# KiCad board BoxTurtle_DC_motors_RPiPico.kicad_pcb
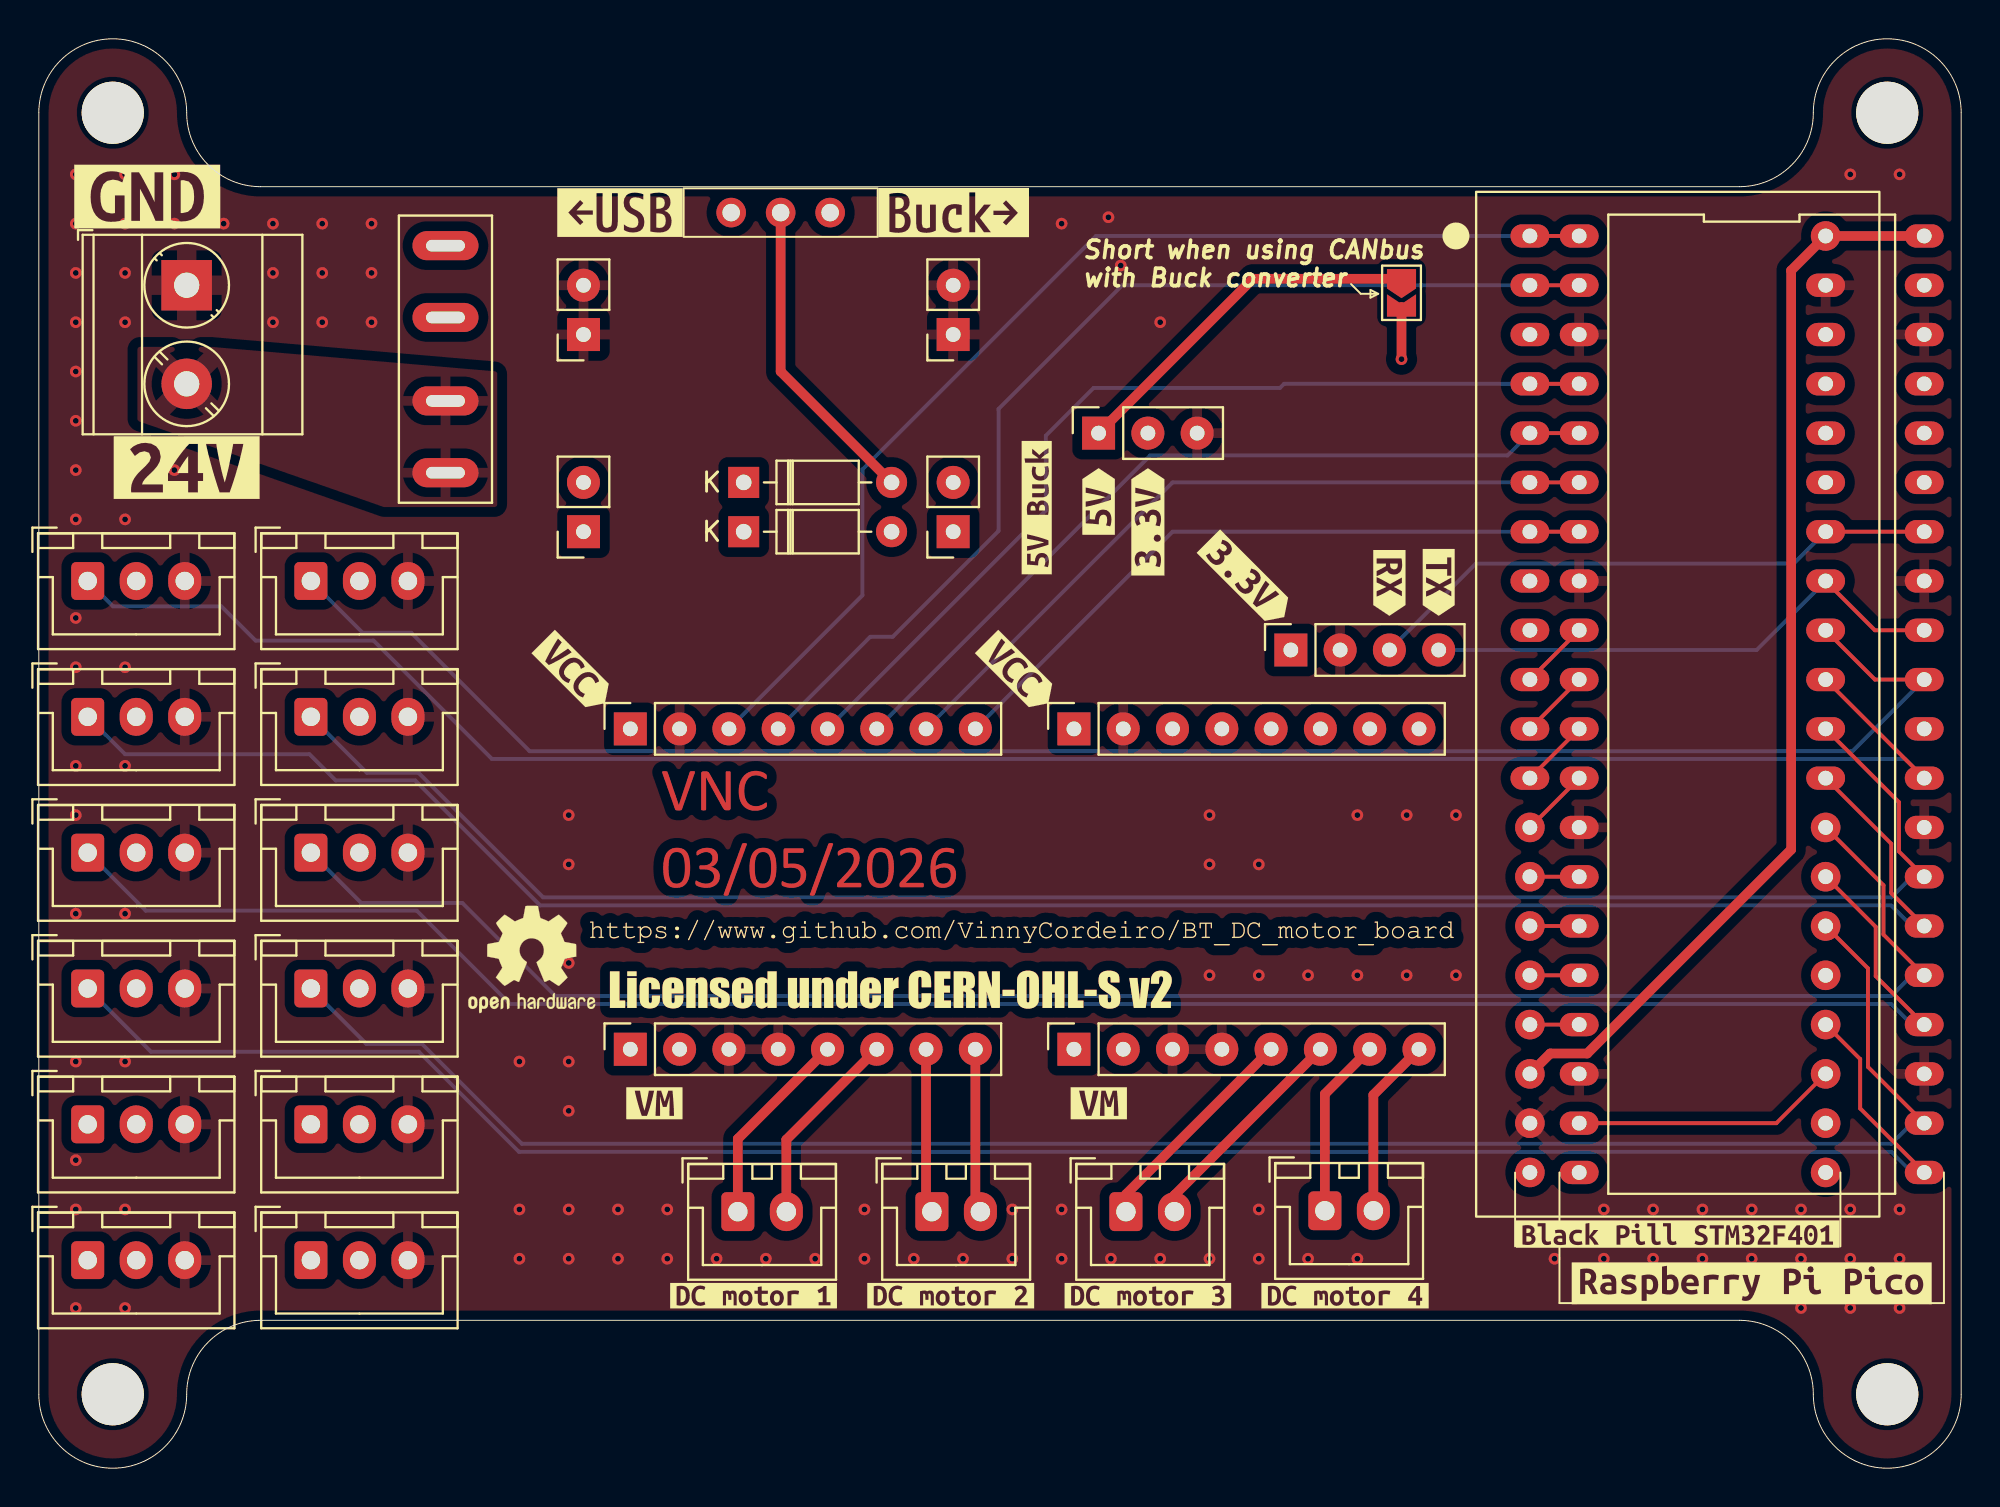
[diagram p0: board, top side]
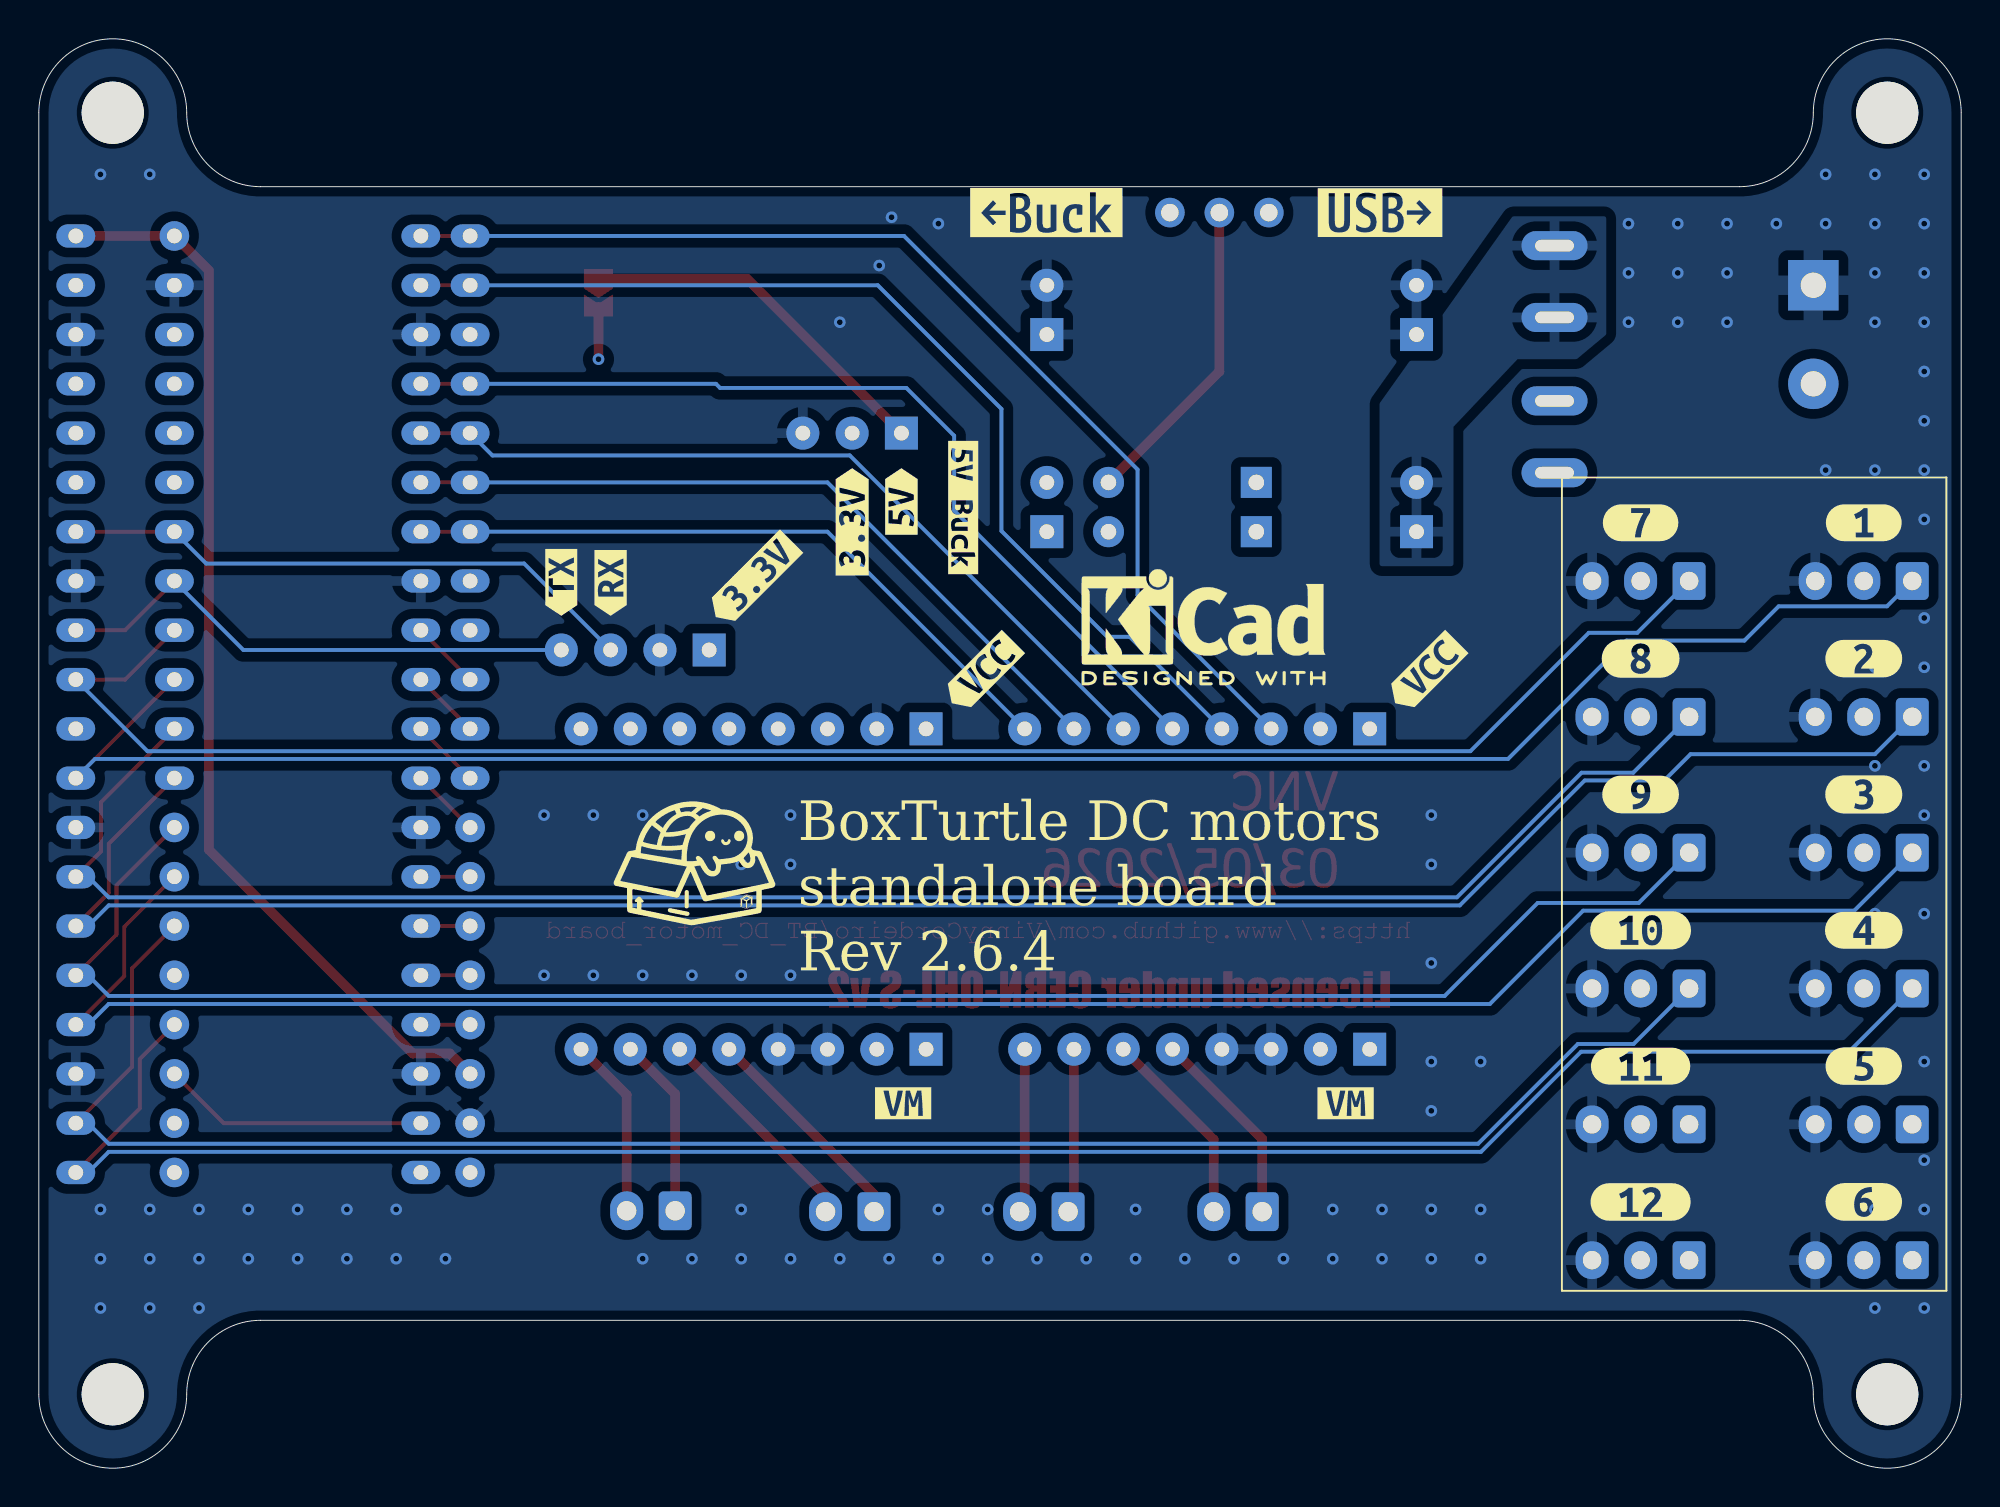
[diagram p1: board, bottom side, seen from below]

Outline 99.06 x 73.66 mm; copper layers: Top, In1.Cu, In2.Cu, Bottom. Coordinates in mm from the lower left corner of the outline.
Outline path: 0,69.85 0,3.81 arc(3.81,0) 7.62,3.81 arc(8.74,6.5) 11.43,7.62 87.63,7.62 arc(90.32,6.5) 91.44,3.81 arc(95.25,0) 99.06,3.81 99.06,69.85 arc(95.25,73.66) 91.44,69.85 arc(90.32,67.16) 87.63,66.04 11.43,66.04 arc(8.74,67.16) 7.62,69.85 arc(3.81,73.66) 0,69.85
Stack: Top 0.035mm / dielectric 0.1mm FR4 er 4.5 / In1.Cu 0.035mm / dielectric 1.24mm FR4 er 4.5 / In2.Cu 0.035mm / dielectric 0.1mm FR4 er 4.5 / Bottom 0.035mm

## Placement (name value [footprint] x y rotation side)
D1  BAT85  [D_DO-35_SOD27_P7.62mm_Horizontal]  36.32 50.8 0 top
D2  BAT85  [D_DO-35_SOD27_P7.62mm_Horizontal]  36.32 48.26 0 top
F1  Fuse_Small  [XF-506P]  20.95 57.15 270 top
H1  MountingHole  [MountingHole_3.2mm_M3]  3.81 69.85 0 top
H2  MountingHole  [MountingHole_3.2mm_M3]  3.81 3.81 0 top
H3  MountingHole  [MountingHole_3.2mm_M3]  95.25 69.85 0 top
H4  MountingHole  [MountingHole_3.2mm_M3]  95.25 3.81 0 top
J1  Power input  [PinSocket_1x02_P2.54mm_Vertical]  28.07 48.26 180 top
J2  Power input  [PinSocket_1x02_P2.54mm_Vertical]  28.07 58.42 180 top
J3  Power output  [PinSocket_1x02_P2.54mm_Vertical]  47.12 48.26 180 top
J4  Power output  [PinSocket_1x02_P2.54mm_Vertical]  47.12 58.42 180 top
J5  AMS1117 module  [PinSocket_1x03_P2.54mm_Vertical]  54.61 53.34 90 top
J6  DRV8837 module left  [PinSocket_1x08_P2.54mm_Vertical]  30.48 21.59 90 top
J7  DRV8837 module right  [PinSocket_1x08_P2.54mm_Vertical]  30.48 38.1 90 top
J8  DRV8837 module left  [PinSocket_1x08_P2.54mm_Vertical]  53.34 21.59 90 top
J9  DRV8837 module right  [PinSocket_1x08_P2.54mm_Vertical]  53.34 38.1 90 top
J10  DC motor 1  [JST_XH_B2B-XH-A_1x02_P2.50mm_Vertical]  36.02 13.22 0 top
J11  DC motor 2  [JST_XH_B2B-XH-A_1x02_P2.50mm_Vertical]  46.02 13.22 0 top
J12  DC motor 3  [JST_XH_B2B-XH-A_1x02_P2.50mm_Vertical]  56.02 13.22 0 top
J13  DC motor 4  [JST_XH_B2B-XH-A_1x02_P2.50mm_Vertical]  66.27 13.27 0 top
J14  Screw_Terminal_01x02  [TerminalBlock_Phoenix_MKDS-3-2-5.08_1x02_P5.08mm_Horizontal]  7.62 60.96 270 top
J15  CAN  [PinSocket_1x04_P2.54mm_Vertical]  64.52 42.16 90 top
JP2  Jumper_2_Small_Open  [SolderJumper-2_P1.3mm_Open_TrianglePad1.0x1.5mm]  70.22 60.57 270 top
kibuzzard-67A0CA07  G***  [kibuzzard-67A0CA07]  51.42 49.5 90 top
kibuzzard-67A0CA07#2  G***  [kibuzzard-67A0CA07]  51.43 49.5 270 bottom
kibuzzard-67A0043B  G***  [kibuzzard-67A0043B]  84.45 12.06 0 top
kibuzzard-67A00413  G***  [kibuzzard-67A00413]  88.27 9.53 0 top
kibuzzard-67C5FAD7  G***  [kibuzzard-67C5FAD7]  29.95 64.7 0 top
kibuzzard-67C5FB16  G***  [kibuzzard-67C5FB16]  29.95 64.7 180 bottom
kibuzzard-67C5FB88  G***  [kibuzzard-67C5FB88]  47.14 64.7 0 top
kibuzzard-67C5FBBE  G***  [kibuzzard-67C5FBBE]  47.14 64.7 180 bottom
kibuzzard-67C627D9  G***  [kibuzzard-67C627D9]  31.72 18.8 0 top
kibuzzard-67C627E2  G***  [kibuzzard-67C627E2]  54.62 18.8 0 top
kibuzzard-67C627EC  G***  [kibuzzard-67C627EC]  27.58 41.01 315 top
kibuzzard-67C627F5  G***  [kibuzzard-67C627F5]  50.43 41.01 315 top
kibuzzard-67C628B6  G***  [kibuzzard-67C628B6]  54.52 18.8 180 bottom
kibuzzard-67C628BD  G***  [kibuzzard-67C628BD]  31.72 18.8 180 bottom
kibuzzard-67C6285C  G***  [kibuzzard-67C6285C]  27.58 41.01 135 bottom
kibuzzard-67C6289C  G***  [kibuzzard-67C6289C]  50.43 41.01 135 bottom
kibuzzard-69F637B6  G***  [kibuzzard-69F637B6]  69.6 45.62 90 bottom
kibuzzard-69F637C6  G***  [kibuzzard-69F637C6]  72.14 45.65 90 bottom
kibuzzard-69F6373D  G***  [kibuzzard-69F6373D]  62.22 45.82 135 bottom
kibuzzard-679EE0D3  G***  [kibuzzard-679EE0D3]  5.59 65.53 0 top
kibuzzard-679EE0F2  G***  [kibuzzard-679EE0F2]  7.62 51.56 0 top
kibuzzard-679EE1A8  G***  [kibuzzard-679EE1A8]  57.15 8.89 0 top
kibuzzard-679EE1B2  G***  [kibuzzard-679EE1B2]  67.31 8.89 0 top
kibuzzard-679EE6D0  G***  [kibuzzard-679EE6D0]  5.02 20.72 180 bottom
kibuzzard-679EE6DA  G***  [kibuzzard-679EE6DA]  5.02 13.72 180 bottom
kibuzzard-679EE6E6  G***  [kibuzzard-679EE6E6]  16.52 48.72 180 bottom
kibuzzard-679EE19C  G***  [kibuzzard-679EE19C]  46.99 8.89 0 top
kibuzzard-679EE64B  G***  [kibuzzard-679EE64B]  5.02 48.72 180 bottom
kibuzzard-679EE68A  G***  [kibuzzard-679EE68A]  5.02 34.72 180 bottom
kibuzzard-679EE72D  G***  [kibuzzard-679EE72D]  16.52 41.72 180 bottom
kibuzzard-679EE78C  G***  [kibuzzard-679EE78C]  16.52 13.72 180 bottom
kibuzzard-679EE189  G***  [kibuzzard-679EE189]  36.83 8.89 0 top
kibuzzard-679EE681  G***  [kibuzzard-679EE681]  5.02 41.72 180 bottom
kibuzzard-679EE693  G***  [kibuzzard-679EE693]  5.02 27.72 180 bottom
kibuzzard-679EE762  G***  [kibuzzard-679EE762]  16.52 34.72 180 bottom
kibuzzard-679EE772  G***  [kibuzzard-679EE772]  16.52 27.72 180 bottom
kibuzzard-679EE781  G***  [kibuzzard-679EE781]  16.52 20.72 180 bottom
kibuzzard-679EE822  G***  [kibuzzard-679EE822]  62.22 45.82 315 top
kibuzzard-679EE822#2  G***  [kibuzzard-679EE822]  57.15 48.77 90 top
kibuzzard-679EE822#3  G***  [kibuzzard-679EE822]  57.15 48.77 90 bottom
kibuzzard-679EE836  G***  [kibuzzard-679EE836]  54.61 49.82 90 top
kibuzzard-679EE836#2  G***  [kibuzzard-679EE836]  54.61 49.82 90 bottom
kibuzzard-679FA142  G***  [kibuzzard-679FA142]  69.6 45.62 270 top
kibuzzard-679FA150  G***  [kibuzzard-679FA150]  72.14 45.65 270 top
REF**  -  [OSHW-Logo2_7.3x6mm_SilkScreen]  25.4 26.22 0 top
REF**#2  -  [KiCad-Logo2_5mm_SilkScreen]  39.05 43.35 180 bottom
SW1  Conn_01x03  [JST_XH_B3B-XH-A_1x03_P2.50mm_Vertical]  2.52 45.72 0 top
SW2  Conn_01x03  [JST_XH_B3B-XH-A_1x03_P2.50mm_Vertical]  2.52 38.72 0 top
SW3  Conn_01x03  [JST_XH_B3B-XH-A_1x03_P2.50mm_Vertical]  2.52 31.72 0 top
SW4  Conn_01x03  [JST_XH_B3B-XH-A_1x03_P2.50mm_Vertical]  2.52 24.72 0 top
SW5  Conn_01x03  [JST_XH_B3B-XH-A_1x03_P2.50mm_Vertical]  2.52 17.72 0 top
SW6  Conn_01x03  [JST_XH_B3B-XH-A_1x03_P2.50mm_Vertical]  2.52 10.72 0 top
SW7  Conn_01x03  [JST_XH_B3B-XH-A_1x03_P2.50mm_Vertical]  14.02 45.72 0 top
SW8  Conn_01x03  [JST_XH_B3B-XH-A_1x03_P2.50mm_Vertical]  14.02 38.72 0 top
SW9  Conn_01x03  [JST_XH_B3B-XH-A_1x03_P2.50mm_Vertical]  14.02 31.72 0 top
SW10  Conn_01x03  [JST_XH_B3B-XH-A_1x03_P2.50mm_Vertical]  14.02 24.72 0 top
SW11  Conn_01x03  [JST_XH_B3B-XH-A_1x03_P2.50mm_Vertical]  14.02 17.72 0 top
SW12  Conn_01x03  [JST_XH_B3B-XH-A_1x03_P2.50mm_Vertical]  14.02 10.72 0 top
SW13  -  [K3-1204D]  38.23 64.7 180 top
U1  Raspberry Pi Pico  [Pico]  88.27 39.37 270 top
U2  Black Pill STM32F401  [STM32F401 Black Pill]  84.45 39.37 0 top

## Library data of the parts
D1 D2 = -: Description: Schottky diode, small symbol; LCSC: C3312828; ki_fp_filters: TO-???* *_Diode_* *SingleDiode* D_*
F1 = -: Description: Fuse, small symbol; ki_fp_filters: *Fuse*
H1-H4 = -: Description: Mounting Hole without connection; ki_fp_filters: MountingHole*
J1-J4 J10-J13 = -: Description: Generic connector, single row, 01x02, script generated (kicad-library-utils/schlib/autogen/connector/); ki_fp_filters: Connector*:*_1x??_*
J5 SW1-SW12 = -: Description: Generic connector, single row, 01x03, script generated (kicad-library-utils/schlib/autogen/connector/); ki_fp_filters: Connector*:*_1x??_*
J6-J9 = -: Description: Generic connector, single row, 01x08, script generated (kicad-library-utils/schlib/autogen/connector/); ki_fp_filters: Connector*:*_1x??_*
J14 = -: Description: Generic screw terminal, single row, 01x02, script generated (kicad-library-utils/schlib/autogen/connector/); ki_fp_filters: TerminalBlock*:*
J15 = -: Description: Generic connector, single row, 01x04, script generated (kicad-library-utils/schlib/autogen/connector/); ki_fp_filters: Connector*:*_1x??_*
JP2 = -: Description: Jumper, 2-pole, small symbol, open; ki_fp_filters: Jumper* TestPoint*2Pads* TestPoint*Bridge*
SW13 = -: Description: Switch, single pole double throw; LCSC: C145861

## Footprints (pads in the part's own frame, mm; a bottom-side part is the same pattern mirrored in y, then rotated)
D_DO-35_SOD27_P7.62mm_Horizontal
  rect 1.6x1.6 hole 0.8: 1(0,0)
  oval 1.6x1.6 hole 0.8: 2(7.62,0)
JST_XH_B2B-XH-A_1x02_P2.50mm_Vertical
  rrect 1.7x2 hole 1: 1(0,0)
  oval 1.7x2 hole 1: 2(2.5,0)
JST_XH_B3B-XH-A_1x03_P2.50mm_Vertical
  rrect 1.7x1.95 hole 0.95: 1(0,0)
  oval 1.7x1.95 hole 0.95: 2(2.5,0) 3(5,0)
K3-1204D
  round 1.524 hole 0.9: 1(-2.55,0) 2(0,0) 3(2.55,0)
MountingHole_3.2mm_M3
  round 3.2 hole 3.2 unplated: (0,0)
Pico
  oval 1.2x2 hole 0.762: 1(-24.13,-8.89) 2(-21.59,-8.89) 3(-19.05,-8.89) 4(-16.51,-8.89) 5(-13.97,-8.89) 6(-11.43,-8.89) 7(-8.89,-8.89) 8(-6.35,-8.89) 9(-3.81,-8.89) 10(-1.27,-8.89) 11(1.27,-8.89) 12(3.81,-8.89) 13(6.35,-8.89) 14(8.89,-8.89) 15(11.43,-8.89) 16(13.97,-8.89) 17(16.51,-8.89) 18(19.05,-8.89) 19(21.59,-8.89) 20(24.13,-8.89) 21(24.13,8.89) 22(21.59,8.89) 23(19.05,8.89) 24(16.51,8.89) 25(13.97,8.89) 26(11.43,8.89) 27(8.89,8.89) 28(6.35,8.89) 29(3.81,8.89) 30(1.27,8.89) 31(-1.27,8.89) 32(-3.81,8.89) 33(-6.35,8.89) 34(-8.89,8.89) 35(-11.43,8.89) 36(-13.97,8.89) 37(-16.51,8.89) 38(-19.05,8.89) 39(-21.59,8.89) 40(-24.13,8.89)
PinSocket_1x02_P2.54mm_Vertical
  rect 1.7x1.7 hole 0.762: 1(0,0)
  oval 1.7x1.7 hole 0.762: 2(0,-2.54)
PinSocket_1x03_P2.54mm_Vertical
  rect 1.7x1.7 hole 0.762: 1(0,0)
  oval 1.7x1.7 hole 0.762: 2(0,-2.54) 3(0,-5.08)
PinSocket_1x04_P2.54mm_Vertical
  rect 1.7x1.7 hole 0.762: 1(0,0)
  oval 1.7x1.7 hole 0.762: 2(0,-2.54) 3(0,-5.08) 4(0,-7.62)
PinSocket_1x08_P2.54mm_Vertical
  rect 1.7x1.7 hole 0.762: 1(0,0)
  oval 1.7x1.7 hole 0.762: 2(0,-2.54) 3(0,-5.08) 4(0,-7.62) 5(0,-10.16) 6(0,-12.7) 7(0,-15.24) 8(0,-17.78)
SolderJumper-2_P1.3mm_Open_TrianglePad1.0x1.5mm
  custom 1.5x1.5 smd: 1(-0.725,0)
  custom 1.15x1.5 smd: 2(0.725,0)
STM32F401 Black Pill
  oval 2x1.2 hole 0.762: 1(-7.62,24.13) 2(-7.62,21.59) 3(-7.62,19.05) 4(-7.62,16.51) 5(-7.62,13.97) 6(-7.62,11.43) 7(-7.62,8.89) 8(-7.62,6.35) 9(-7.62,3.81) 10(-7.62,1.27) 11(-7.62,-1.27) 12(-7.62,-3.81) 29(7.62,-3.81) 30(7.62,-1.27) 31(7.62,1.27) 32(7.62,3.81) 33(7.62,6.35) 34(7.62,8.89) 35(7.62,11.43) 36(7.62,13.97) 37(7.62,16.51) 38(7.62,19.05) 39(7.62,21.59)
  round 1.524 hole 0.762: 13(-7.62,-6.35) 14(-7.62,-8.89) 15(-7.62,-11.43) 16(-7.62,-13.97) 17(-7.62,-16.51) 18(-7.62,-19.05) 19(-7.62,-21.59) 20(-7.62,-24.13) 21(7.62,-24.13) 22(7.62,-21.59) 23(7.62,-19.05) 24(7.62,-16.51) 25(7.62,-13.97) 26(7.62,-11.43) 27(7.62,-8.89) 28(7.62,-6.35) 40(7.62,24.13)
TerminalBlock_Phoenix_MKDS-3-2-5.08_1x02_P5.08mm_Horizontal
  rect 2.6x2.6 hole 1.3: 1(0,0)
  round 2.6 hole 1.3: 2(5.08,0)
XF-506P
  oval 1.5x3.4 hole 0.6x2: 1(-5.85,0) 1(-2.15,0) 2(2.15,0) 2(5.85,0)

## Nets
+3.3V: J5.2 J7.1 J9.1 J15.1 SW1.2 SW2.2 SW3.2 SW4.2 SW5.2 SW6.2 SW7.2 SW8.2 SW9.2 SW10.2 SW11.2 SW12.2 U1.39 U2.20 U2.38
+5V: D1.1 D2.1 J5.1 JP2.1
+5VBUCK: D2.2 J3.1 J3.2 J6.1 J6.2 J8.1 J8.2
GND: J2.1 J2.2 J4.1 J4.2 J5.3 J6.3 J6.4 J7.2 J8.3 J8.4 J9.2 J14.1 J15.2 SW1.3 SW2.3 SW3.3 SW4.3 SW5.3 SW6.3 SW7.3 SW8.3 SW9.3 SW10.3 SW11.3 SW12.3 U1.3 U1.8 U1.13 U1.18 U1.23 U1.28 U1.33 U1.38 U2.19 U2.39
VBUS: JP2.2 SW13.3 U1.40 U2.18 U2.40
VCC: F1.1 J1.1 J1.2
VCCQ: F1.2 J14.2
CAN-RX: J15.3 U1.34 U2.34
CAN-TX: J15.4 U1.32 U2.33
DC1_1: J7.4 U1.2 U2.2
DC1_2: J7.7 U1.6 U2.6
DC1_3: J9.4 U1.14 U2.14
DC1_4: J9.7 U1.10 U2.11
DC2_1: J7.5 U1.4 U2.4
DC2_2: J7.8 U1.7 U2.7
DC2_3: J9.5 U1.12 U2.13
DC2_4: J9.8 U1.9 U2.10
SLP_1: J7.3 U1.1 U2.1
SLP_2: J7.6 U1.5 U2.5
SLP_3: J9.3 U1.15 U2.15
SLP_4: J9.6 U1.11 U2.12
SW1: SW1.1 U1.29 U2.31
SW2: SW2.1 U1.26 U2.29
SW3: SW3.1 U1.24 U2.27
SW4: SW4.1 U1.21 U2.24
SW5: SW5.1 U1.17 U2.17
SW6: SW6.1 U1.20 U2.35
SW7: SW7.1 U1.31 U2.32
SW8: SW8.1 U1.27 U2.30
SW9: SW9.1 U1.25 U2.28
SW10: SW10.1 U1.22 U2.26
SW11: SW11.1 U1.16 U2.16
SW12: SW12.1 U1.19 U2.23
Net-(D1-A): D1.2 SW13.2
Net-(J10-Pin_1): J6.5 J10.1
Net-(J10-Pin_2): J6.6 J10.2
Net-(J11-Pin_1): J6.7 J11.1
Net-(J11-Pin_2): J6.8 J11.2
Net-(J12-Pin_1): J8.5 J12.1
Net-(J12-Pin_2): J8.6 J12.2
Net-(J13-Pin_1): J8.7 J13.1
Net-(J13-Pin_2): J8.8 J13.2

Pads without a net: SW13 1; U1 30 35 36 37; U2 3 8 9 21 22 25 36 37

## Via types
v1: diameter 0.6, hole 0.3, Top to Bottom, 111 vias

## Routing (per net, layer and track width the routed paths; a pad name or vN(x,y) marks a point on that pad's centre or on a via; arc(x,y) is an arc through that point)
+3.3V: length 23.6
  In1.Cu w0.5: U2.20 74.93,17.14 74.93,38.1
+5V: length 18.9
  Top w0.5: JP2.1 62.56,61.3 J5.1
GND: length 2.5
  In2.Cu w0.5: J6.3 J6.4
  vias: v1(1.91,66.67) v1(1.91,64.13) v1(1.91,61.59) v1(1.91,59.05) v1(1.91,56.52) v1(1.91,53.98) v1(1.91,51.44) v1(1.91,48.89) v1(1.91,43.81) v1(1.91,41.28) v1(1.91,36.19) v1(1.91,33.66) v1(1.91,28.58) v1(1.91,20.95) v1(1.91,15.88) v1(1.91,13.33) v1(1.91,8.25) v1(4.44,66.67) v1(4.44,64.13) v1(4.44,61.59) v1(4.44,59.05) v1(4.44,51.44) v1(4.44,48.89) v1(4.44,41.28) v1(4.44,36.19) v1(4.44,28.58) v1(4.44,20.95) v1(4.44,13.33) v1(4.44,8.25) v1(6.98,66.67) v1(6.98,64.13) v1(6.98,51.44) v1(9.52,64.13) v1(12.06,64.13) v1(12.06,61.59) v1(12.06,59.05) v1(14.6,64.13) v1(14.6,61.59) v1(14.6,59.05) v1(17.14,64.13) v1(17.14,61.59) v1(17.14,59.05) v1(24.77,20.95) v1(24.77,13.33) v1(24.77,10.8) v1(27.3,33.66) v1(27.3,31.11) v1(27.3,26.03) v1(27.3,20.95) v1(27.3,18.41) v1(27.3,13.33) v1(27.3,10.8) v1(29.84,13.33) v1(29.84,10.8) v1(32.38,13.33) v1(32.38,10.8) v1(34.92,10.8) v1(37.46,10.8) v1(40.01,10.8) v1(42.55,13.33) v1(42.55,10.8) v1(45.08,10.8) v1(47.62,10.8) v1(50.17,13.33) v1(50.17,10.8) v1(52.7,64.13) v1(52.7,13.33) v1(52.7,10.8) v1(55.12,64.47) v1(55.24,10.8) v1(55.75,61.98) v1(57.78,59.05) v1(57.78,10.8) v1(60.33,33.66) v1(60.33,31.11) v1(60.33,25.4) v1(60.33,10.8) v1(62.86,31.11) v1(62.86,25.4) v1(62.86,13.33) v1(62.86,10.8) v1(65.4,25.4) v1(65.4,10.8) v1(67.95,33.66) v1(67.95,25.4) v1(67.95,10.8) v1(70.48,33.66) v1(70.48,25.4) v1(73.02,33.66) v1(73.02,25.4) v1(78.11,10.8) v1(80.64,13.33) v1(80.64,10.8) v1(83.18,13.33) v1(83.18,10.8) v1(85.73,13.33) v1(85.73,10.8) v1(88.27,13.33) v1(88.27,10.8) v1(90.8,13.33) v1(90.8,10.8) v1(90.8,8.25) v1(93.34,66.67) v1(93.34,13.33) v1(93.34,10.8) v1(93.34,8.25) v1(95.89,66.67) v1(95.89,13.33) v1(95.89,10.8) v1(95.89,8.25)
VBUS: length 121.3
  Top w0.5: v1(70.22,57.15) JP2.2 ; U1.40 U2.40 90.3,61.72 90.3,31.88 79.79,21.37 77.89,21.37 U2.18
  In2.Cu w0.5: 35.68,64.7 43.26,57.12 54.25,57.12 55.15,58.02 64.02,58.02 64.89,57.15 85.73,57.15 U2.40
CAN-RX: length 30.1
  Top w0.2: U1.34 U2.34
  Bottom w0.2: J15.3 74.05,46.62 90.43,46.62 U2.34
CAN-TX: length 27.5
  Top w0.2: U1.32 94.61,43.18 U2.33
  Bottom w0.2: J15.4 88.52,42.16 U2.33
DC1_1: length 54.4
  Top w0.2: U1.2 U2.2
  Bottom w0.2: J7.4 42.84,42.84 44,42.84 49.45,48.3 49.45,54.58 55.83,60.96 U2.2
DC1_2: length 38.9
  Top w0.2: U1.6 U2.6
  Bottom w0.2: U2.6 58.42,50.8 J7.7
DC1_3: length 21.6
  Top w0.2: U1.14 U2.14
  In2.Cu w0.2: J9.4 68.58,30.48 U2.14
DC1_4: length 12.8
  Top w0.2: U1.10 U2.11
  In2.Cu w0.2: J9.7 69.73,36.95 75.68,36.95 U2.11
DC2_1: length 48.4
  Top w0.2: U1.4 U2.4
  Bottom w0.2: J7.5 51.89,49.35 51.89,53.21 54.36,55.67 63.96,55.67 64.17,55.88 U2.4
DC2_2: length 35.3
  Top w0.2: U1.7 U2.7
  Bottom w0.2: J7.8 58.42,48.26 U2.7
DC2_3: length 19.7
  Top w0.2: U1.12 U2.13
  In2.Cu w0.2: U2.13 67.38,33.02 63.5,36.9 J9.5
DC2_4: length 10.4
  Top w0.2: U1.9 U2.10
  In2.Cu w0.2: U2.10 73.66,40.64 J9.8
SLP_1: length 58.1
  Top w0.2: U1.1 U2.1
  Bottom w0.2: U2.1 54.48,63.5 42.44,51.47 42.44,44.98 J7.3
SLP_2: length 42.5
  Top w0.2: U1.5 U2.5
  Bottom w0.2: U2.5 75.68,52.19 57.27,52.19 J7.6
SLP_3: length 25.2
  Top w0.2: U1.15 U2.15
  In2.Cu w0.2: J9.3 68.58,27.94 U2.15
SLP_4: length 15.4
  Top w0.2: U1.11 U2.12
  In2.Cu w0.2: U2.12 68.58,35.56 J9.6
SW1: length 106
  Top w0.2: U1.29 U2.31
  Bottom w0.2: U1.29 96.17,36.55 23.35,36.55 17.25,42.65 11.17,42.65 9.41,44.41 3.83,44.41 SW1.1
SW2: length 108.2
  Top w0.2: U1.26 95.45,29.64 95.45,32.18 U2.29
  Bottom w0.2: SW2.1 4.44,36.8 13.94,36.8 15.3,35.44 19.4,35.44 25.84,29 95.46,29 96.52,27.94
SW3: length 107.4
  Top w0.2: U2.27 94.65,27.9 94.65,25.36 U1.24
  Bottom w0.2: 96.52,22.86 95.46,23.92 24.29,23.92 19.48,28.73 5.51,28.73 SW3.1
SW4: length 107.7
  Top w0.2: U1.21 93.86,18.54 93.86,21.08 93.85,21.08 U2.24
  Bottom w0.2: SW4.1 5.78,21.46 19.59,21.46 24.74,16.3 95.46,16.3 96.52,15.24
SW5: length 80.9
  Top w0.2: U1.17 U2.17
  In2.Cu w0.2: SW5.1 3.77,16.47 4.69,16.47 5.8,15.37 69.34,15.37 U2.17
SW6: length 123.2
  In2.Cu w0.2: U2.35 89.7,50.8 86.42,47.52 86.42,22.28 U1.20 79.37,14.84 72.76,8.22 7.52,8.22 6.88,8.86 4.38,8.86 SW6.1
SW7: length 94.4
  Top w0.2: U2.32 94.61,40.64 U1.31
  Bottom w0.2: SW7.1 16.69,43.05 19.19,43.05 25.29,36.95 93.46,36.95 U1.31
SW8: length 96.5
  Top w0.2: U2.30 95.86,34.32 95.86,31.78 U1.27
  Bottom w0.2: 96.52,30.48 95.46,29.42 25.99,29.42 19.56,35.84 16.9,35.84 SW8.1
SW9: length 95.7
  Top w0.2: U1.25 95.05,27.5 95.05,30.04 U2.28
  Bottom w0.2: 96.52,25.4 95.46,24.34 26.61,24.34 21.82,29.13 16.61,29.13 SW9.1
SW10: length 98.5
  Top w0.2: U1.22 94.26,20.68 94.26,25.76 U2.26
  Bottom w0.2: SW10.1 16.88,21.86 19.75,21.86 24.89,16.72 95.46,16.72 96.52,17.78
SW11: length 70.7
  Top w0.2: U1.16 U2.16
  In2.Cu w0.2: SW11.1 15.97,15.77 68.19,15.77 76.83,24.41 U2.16
SW12: length 84.6
  Top w0.2: U2.23 89.53,17.78 U1.19
  In2.Cu w0.2: U1.19 78.08,16.48 78.08,14.98 71.73,8.64 16.1,8.64 SW12.1
Net-(D1-A): length 16.3
  Top w0.5: SW13.2 38.23,56.52 D1.2
Net-(J10-Pin_1): length 10.3
  Top w0.5: J6.5 36.02,16.97 J10.1
Net-(J10-Pin_2): length 10.3
  Top w0.5: J6.6 38.52,16.93 J10.2
Net-(J11-Pin_1): length 8.6
  Top w0.5: 45.72,12.74 45.76,12.7 ; J6.7 45.72,13.52 J11.1
Net-(J11-Pin_2): length 8.5
  Top w0.5: J6.8 48.26,13.48 J11.2
Net-(J12-Pin_1): length 11.5
  Top w0.5: J12.1 56.02,14.11 J8.5
Net-(J12-Pin_2): length 11.5
  Top w0.5: J8.6 58.52,14.07 J12.2
Net-(J13-Pin_1): length 9.3
  Top w0.5: J8.7 66.27,19.28 J13.1
Net-(J13-Pin_2): length 9.3
  Top w0.5: J8.8 68.77,19.24 J13.2

## Copper pours and planes (outline as drawn; the poured copper is in the pictures)
+3.3V on In1.Cu: -0.64,8.12 -0.64,48.26 48.26,48.26 62.23,62.23 99.44,62.23 99.44,35.56 27.94,35.56 22.86,30.48 22.86,8.12
+5V on In2.Cu: 56.52,55.24 34.29,55.24 34.29,46.35 38.73,46.35 38.73,51.44 56.52,51.44
+5VBUCK on In2.Cu: 57.15,19.69 57.15,22.22 52.07,26.03 52.07,50.8 42.55,50.8 42.55,36.19 28.58,22.86 28.58,19.69
GND on Top, Bottom, In1.Cu, In2.Cu: -0.64,74.3 -0.64,-0.64 99.7,-0.64 99.7,74.3
VCC on Bottom: 18.29,64.52 18.29,58.42 19.81,57.15 22.86,57.15 26.16,53.66 26.16,46.48 29.97,46.48 29.97,54.87 23.11,64.52
VCCQ on Top: 5.08,53.98 17.78,49.53 23.62,49.53 23.62,56.52 8.89,57.78 5.08,57.78

Small or netless copper shapes (teardrops, artwork), in the pictures only: 98 on Top

## Text on the board
B.Silkscreen: BoxTurtle DC motors / standalone board / Rev 2.6.4
F.Silkscreen: Short when using CANbus / with Buck converter
